# KiCad board RUST_Motherboard.pro.kicad_pcb (continued)
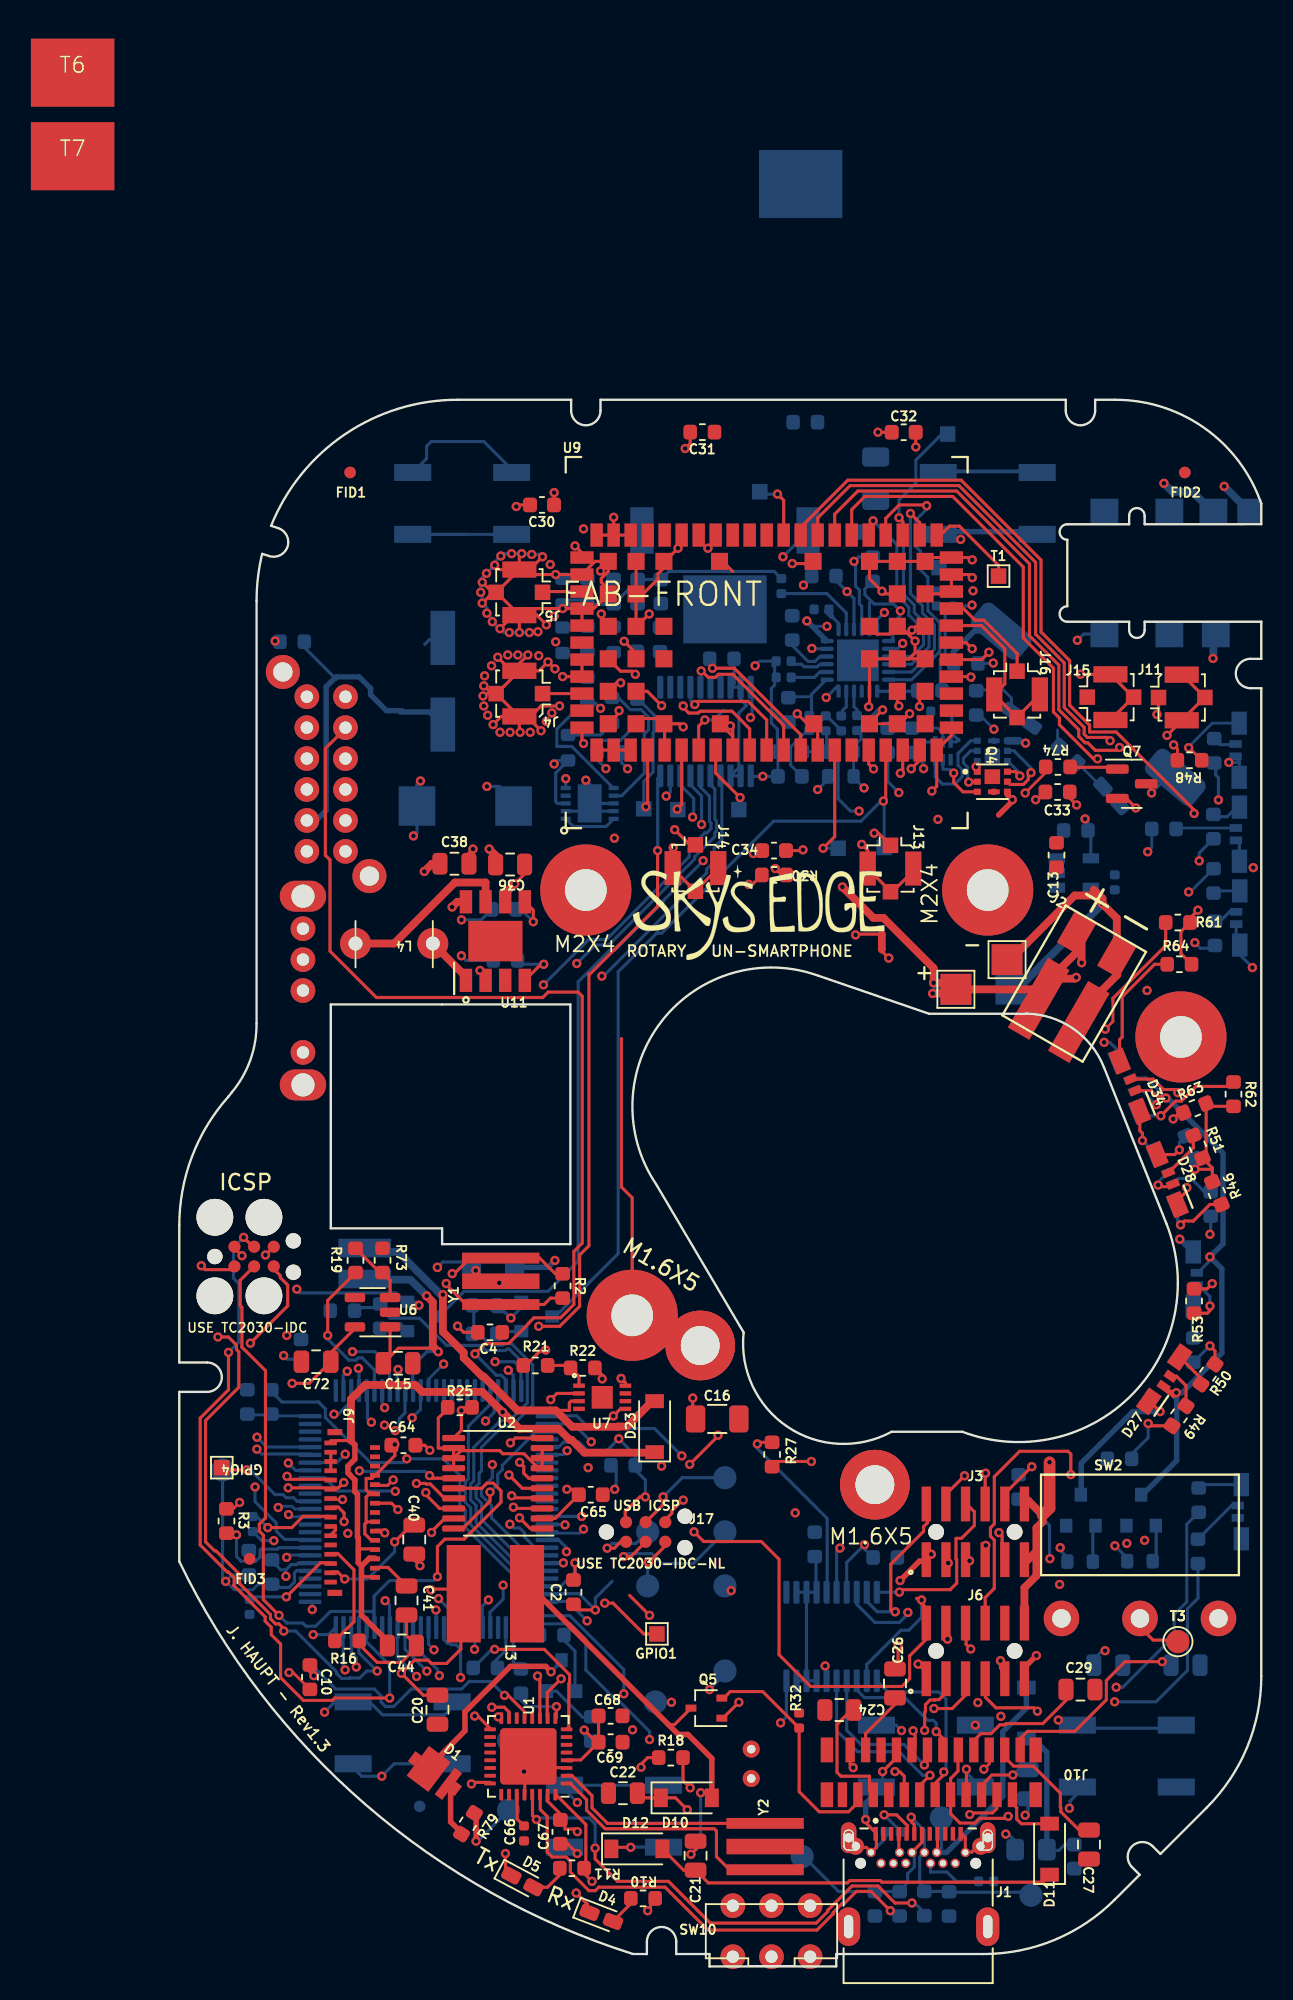
[diagram p0: board, top side]
## Routing (per net, layer and track width the routed paths; a pad name or vN(x,y) marks a point on that pad's centre or on a via; arc(x,y) is an arc through that point) (continued)
+3V3: length 113.6
  L1_GND+GNDA.Cu w0.2: 49.9,11.15 49.9,12.15 50.37,12.62 50.37,14.07 ; 48.35,23.15 47.7,23.8 ; v1(5.73,28.37) 7.28,28.37 8,29.1 9.8,29.1 ; 18.21,24.71 18.21,20.52 17.29,19.59 16.31,19.59 16.1,19.8 15.21,19.8 v1(14.37,18.96) 15.79,17.54 C20.2 ; v1(16.28,24.35) 16.33,24.4 18.02,24.4 ; U2.2 24.31,28.96 C65.1 ; 49.9,11.17 49.9,9.87 50.5,9.27 51.47,9.27 51.78,9.58 53.5,9.58 v1(53.62,9.7) ; v1(7.3,37.7) 8.4,37.7 C72.1 ; v1(25.07,30.85) 25.45,30.85 25.8,30.5 ; v1(13.29,28.04) 13.12,28.2 12.67,28.2 ; v1(33.3,28.1) 33.92,27.47 37.65,27.47 38.8,26.32 38.8,20.15 40.85,18.1 46.75,18.1 47.25,18.6 47.25,20.08 48.33,21.16 48.33,22.44 ; 9.8,39.69 11.36,41.25
  L3_3v8+GNDA.Cu w0.2: v1(53.62,9.7) 53.62,10.4 53,11.02 53,16.02 v1(53.15,16.17)
  L4_GND.Cu w0.2: v1(39.85,29.33) 38.62,28.1 v1(33.3,28.1)
  L5_3v8.Cu w0.2: v1(10.9,28) 11.05,28.15 13.17,28.15 v1(13.29,28.04) ; v1(56.32,26.36) 56.3,26.39 51.8,26.39 51.4,26.79 50.87,26.79 50.29,26.21 50.29,25.85 48.13,23.69 v1(48.02,23.69) 48.11,23.69 50.43,21.38 50.43,17.42 51.7,16.15 53.13,16.15 v1(53.15,16.17)
  L6_GND.Cu w0.2: C43.2 5.01,29.08 v1(5.73,28.37) ; v1(56.32,26.36) 56.3,26.39 56.3,28.52 54.3,30.52 ; v1(48.02,23.69) 48.02,22.56 47.2,21.74 46.69,21.74 44.48,19.53 U8.2
+3V8: length 130.4
  L1_GND+GNDA.Cu w0.18: C33.1 55.53,75.44 v1(55.4,75.44)
  L1_GND+GNDA.Cu w0.2: v1(16.75,39.75) 16.8,39.7 16.52,39.97 14.17,39.97 C15.1 13.64,39.44 13.64,41.25 ; v1(32.73,98.15) 33.05,98.47 C31.1 ; U9.53 U9.52 ; U9.52 v1(28.1,93.7) ; U9.52 U9.51 ; v1(16.2,33.37) 15.88,33.7 C64.1 ; 33.22,35.78 v1(33.22,36.75) ; R50.2 67,39.8 v1(66.68,40.12) ; 30.48,4.4 30.48,3.78 v1(30.3,3.6) ; 25.4,13.35 25.4,13.3 25.12,13.3 25.08,13.35 25.98,13.35 C69.1 C68.1 ; v1(66.83,44.15) 66.49,43.81 R53.2 ; v1(18,41.4) 18.4,41 C4.1 ; v1(28.08,35.59) 28.54,36.05 U7.5 ; 26.3,6.5 26.3,9.17 24.35,11.12 ; 66.83,51.63 66.74,51.54 v1(65.71,51.54) ; 66.83,51.63 R51.2 ; 66.83,51.63 R46.2 ; R18.2 32.59,12.01 v1(33.05,11.55) ; v1(24.25,95.3) 24.24,95.29 C30.1 ; R64.2 64.8,65.49 64.8,66.91 R61.2 ; v1(30.15,30.36) 29.8,30.36 28.85,29.41 28.85,28.75 ; R62.2 66.61,55.61 ; C34.1 37.33,72.15 v1(37.14,71.96) ; R49.2 62.83,34.95 v1(62.68,35.11) ; 65.39,67.79 v1(65.9,68.3) ; C32.1 v1(45.2,99.2) ; 17.17,28.96 16.32,28.12 v1(16.32,28.06) ; v1(46.32,22.93) 46.15,22.93 46.03,23.05 46.03,26.01 48.15,28.13 48.15,28.44 48.4,28.68 48.4,30.02 ; v1(40.89,32.65) 38.69,32.65 R27.1 ; R63.2 66.43,52.5 ; v1(26.19,15.28) 26.98,14.5 ; 3.57,46.44 v1(4.05,45.96) ; 26.1,6.1 v1(26.7,5.5)
  L1_GND+GNDA.Cu w0.35: 19.2,9.79 v1(19.2,8.1)
  L1_GND+GNDA.Cu w0.5: 16.8,39.7 16.4,40.1 16.4,42.96 v1(16.01,43.36)
  L4_GND.Cu w0.2: v1(26.38,22.34) 26.38,15.72 26.19,15.53 v1(26.19,15.28)
  L5_3v8.Cu w0.2: v1(49.75,26.08) 49.63,26.08 47.3,23.75 47.3,23.51 47.68,23.13 47.68,22.6 47.4,22.31 46.93,22.31 v1(46.32,22.93)
  L6_GND.Cu w0.18: v1(52.66,84.28) 52.63,84.25 R15.2
  L6_GND.Cu w0.2: v1(19.2,8.1) 19.3,8.1 3V8.1 ; R54.2 66.66,40.12 v1(66.68,40.12) ; v1(6.75,39.5) 6.98,39.27 7.88,39.27 ; 6.9,25.65 7.23,25.98 7.59,25.98 7.71,26.1 8.4,26.1 ; 6.9,25.65 6.55,25.65 5.9,26.3 ; 6.9,25.65 v1(6.9,25.22) ; 15.1,37.25 15.1,38.83 16.02,39.75 v1(16.75,39.75) ; v1(31.5,75.67) 31.77,75.94 U10.19 ; U4.80 24.54,33.57 24.86,33.9 25.87,33.9 26.4,33.37 27.68,33.37 v1(28.43,34.12) 29.5,33.05 C6.1 ; 29.5,32.1 30.15,31.45 v1(30.15,30.36) ; 23.75,23.6 25.13,23.6 v1(26.38,22.34) ; U13.10 v1(25,76.8) ; v1(19.9,76.3) 20.7,76.3 22.02,74.98 ; 17.6,21.95 17.6,22.95 v1(16.77,23.78) ; 65.9,52.04 65.9,51.73 v1(65.71,51.54) ; v1(29,77.44) 28.62,77.83 C42.1 ; 44.48,23.61 45.16,22.93 v1(46.32,22.93) ; v1(26.19,15.28) 26.19,15.02 C3.1 ; R45.2 66.73,47.39 v1(66.68,47.34) ; 61.61,33.12 62.68,34.18 v1(62.68,35.11)
  L6_GND.Cu w0.5: 12,44.4 14.96,44.4 v1(16.01,43.36)
  vias: v1(56.95,24.7)
+12V: length 100.9
  L1_GND+GNDA.Cu w0.2: 9.8,34 11.1,34 ; 12.67,25.2 11.97,25.2 11.79,25.39 ; C38.2 18.74,71.99 v1(19,72.25) ; 11.58,26.82 11.76,27 12.67,27 ; v1(19.45,64.4) 19.81,64.03 U11.2 ; v1(21.7,70) 22.34,70.64 C36.1 ; v1(23.7,39.86) 23.63,39.78 23.33,39.78 22.41,38.86
  L1_GND+GNDA.Cu w0.35: 12.67,26.4 12.3,26.4 11.79,25.89 ; 11.79,25.89 11.58,26.09 11.58,27.72 11.53,27.78 11.53,30.53 11.36,30.69 11.36,31.46 11.03,31.79 11.03,31.79 10.91,31.91 10.91,32.35 11.36,32.8 11.36,33.74 11.1,34 ; 11.79,25.89 11.79,22.71 13.5,21
  L1_GND+GNDA.Cu w0.5: D23.1 30.72,33.22 26.21,33.22 25.38,34.05 25.26,34.05 24.55,34.77 22,34.77 v1(20.92,35.84) 19.61,37.15 15.71,37.15 15.26,37.6 12.03,37.6 11.1,36.67 11.1,34 ; U11.6 21.08,69.38 v1(21.7,70)
  L2_3v3+GNDA.Cu w0.35: v1(20.92,35.84) 20.96,35.84 23.7,38.59 v1(23.7,39.86) ; 20.64,65.28 20.84,65.48 25.97,65.48 26.34,65.11 26.34,46.79 25.2,45.65 v1(24.3,45.65)
  L3_3v8+GNDA.Cu w0.35: v1(24.3,45.65) 24.3,40.46 v1(23.7,39.86)
  L5_3v8.Cu w0.2: v1(21.7,70) 21.25,70 v1(19,72.25)
  L5_3v8.Cu w0.35: v1(19.45,64.4) 19.45,67.75 v1(21.7,70)
  L6_GND.Cu w0.35: v1(24.3,45.65) 23.85,45.2 C17.1
/3v3_EN: length 10.3
  L1_GND+GNDA.Cu w0.2: v1(9.6,40.8) 9.6,43.06 R19.2
  L6_GND.Cu w0.2: v1(9.6,40.8) 9.6,40.57 10.97,39.2 11.43,39.2 11.58,39.35 11.84,39.35 12.62,38.56 U4.56
/12v_EN: length 19.2
  L1_GND+GNDA.Cu w0.2: U7.8 28.86,37.74 v1(28.58,38.02)
  L3_3v8+GNDA.Cu w0.2: v1(28.58,38.02) 28.4,38.02 27.51,38.91 23.45,38.91 22.71,39.65 20.13,39.65 19.89,39.41 19.89,39.34 17.65,37.1 14.34,37.1 13.35,36.11 13.3,36.11 v1(13.28,36.13)
  L6_GND.Cu w0.2: v1(13.28,36.13) 13.12,36.29 U4.57
/EPAPER DRIVER/VDD: length 7.8
  L1_GND+GNDA.Cu w0.2: 51.37,14.57 51.85,15.05 52.51,15.05 53.08,15.62 53.41,15.62 53.49,15.7 55.86,15.7 57.36,17.2 C29.1
GND: length 165.5
  L1_GND+GNDA.Cu w0.18: J9.14 12.15,28.75 12.09,28.69 ; v1(18.25,35.95) 18.45,36.15 R25.2
  L1_GND+GNDA.Cu w0.2: R22.2 27.36,38.23 v1(27.36,37.99) ; 10,28.5 10.1,28.4 10.1,28.2 9.8,27.9 ; v1(13.94,33.75) 13.94,33.03 12.46,31.55 12.09,31.55 12.09,30.81 12.3,30.6 12.67,30.6 ; 9.8,33.3 9.8,32.1 ; 12.67,30.62 12.36,30.62 12.09,30.35 12.09,28.69 12,28.6 12,27.97 12.38,27.6 12.6,27.6 ; v1(33.02,32.46) 34.85,34.29 v1(34.85,34.35) ; C41.2 14.7,21.4 15.15,20.95 ; v1(45.5,12.6) 46.4,13.5 ; v1(7.05,30.94) 10.29,30.94 v1(10.64,31.29) ; 15.3,20.6 14.36,19.66 12.8,19.66 11.64,20.82 ; 22.35,11.12 22.35,12.55 ; v1(29.2,7.7) 28.05,7.7 ; 44.3,7.69 44.3,7.69 44.45,7.69 44.75,7.39 ; 53.45,30.62 v1(55.15,32.32) ; 50.92,11.32 v1(50.92,12.75) ; 46.3,19.62 46.5,19.82 v1(46.5,20.74) ; 15.2,26.28 v1(15.57,25.91) ; v1(24.03,36.65) 24.43,37.05 U7.2 ; 19.87,44.3 v1(19.17,45) ; v1(18.25,35.95) 18.25,34.67 U2.11 ; 61.27,75.52 v1(61.89,74.91) ; v1(48.65,26.65) 48.65,26.62 J3.1 ; v1(30.42,22.7) 29.13,23.99 ; 25.08,12.85 24,12.85 ; v1(26.92,23.05) 25.86,23.05 C2.2 ; v1(44.4,9.5) 44.4,9.3 45.1,8.6 45.1,7.7 44.8,7.4 ; NT2.1 45.45,65.65 v1(45.9,65.2) ; v1(32.6,30.15) 32.55,30.15 31.87,29.47 31.87,29.3 31.44,28.88 ; v1(47.8,19.55) 48.33,19.02 ; 50.55,8.65 50.85,8.35 50.85,7.39 51.27,7.39 51.38,7.5 51.38,7.5 ; v1(25.75,7.3) 25.14,7.91 24.95,7.91 ; J7.6 v1(5.58,46)
  L1_GND+GNDA.Cu w0.35: Q4.4 53.58,75.76 v1(53.89,75.44) 53.89,75.34 53.01,74.45 ; 48.3,26.2 47.88,26.2 v1(46.63,24.95)
  L1_GND+GNDA.Cu w0.5: C36.2 20.46,71.84 v1(20.05,72.25) ; C38.1 16.35,71.3 v1(15.85,70.8) ; v1(17.65,68.5) 17.99,68.84 U11.8
  L2_3v3+GNDA.Cu w0.2: v1(5.58,46) 5.58,45.48 7.26,43.79 v1(7.6,43.79)
  L3_3v8+GNDA.Cu w0.2: v1(20.7,44.2) 21.45,43.45 v1(21.45,41.92)
  L4_GND.Cu w0.18: v1(13.27,35) 14.7,36.43 14.7,43.2 v1(16.7,45.2)
  L6_GND.Cu w0.2: C58.2 50.02,88.93 ; SW8.2 13.9,13.1 v1(13.1,12.3) 11.8,12.3 11.2,12.9 ; R24.2 19.53,67.67 v1(18.26,67.67) ; v1(67.9,77.85) 68.57,77.85 68.58,77.86 ; 15.2,96.7 16,97.5 16,98.3 16.3,98.6 19.7,98.6 21.7,96.6 ; 68.35,78.15 68.58,77.92 68.58,76.85 ; v1(25.09,33.35) 24.84,33.1 23.75,33.1 ; U12.12 45.15,87.08 v1(45.61,87.55) ; v1(6.11,27.53) 5.33,27.53 C43.1 ; v1(22.3,12.6) 22.3,13.6 GND1.1 ; 44.8,7.4 45.67,8.26 R5.2 ; 54.3,31.48 55.13,32.32 v1(55.15,32.32) 55.15,32.1 ; v1(18.25,65.35) 18.55,65.05 R23.2 ; 20.36,42.32 21.05,42.32 v1(21.45,41.92) 22.12,42.6 22.12,42.95 ; 28.27,32.27 28.27,30.94 v1(28.17,30.85) ; 58.1,11.17 57.63,10.69 57.63,10.27 v1(57.58,10.23) ; v1(54.72,9.78) 54.9,9.95 C25.2 ; 28,24.9 26.92,23.82 v1(26.92,23.05) 25.87,24.1 23.75,24.1 ; 68.37,67.4 68.37,66.33 ; 14.35,43.2 14,43.55 7.84,43.55 v1(7.6,43.79) ; v1(16.7,45.2) 17.05,45.55 18.55,45.55 ; v1(15.06,35.48) 15.6,36.01 15.6,37.2 ; 15.87,85.48 16.19,85.8 17.05,85.8 ; 23.8,17.8 24.4,17.8 26.1,16.1 26.85,16.1 ; v1(45.5,12.6) 45.5,12 ; 8.5,26.6 7.09,26.6 v1(6.94,26.45) ; 68.6,65.42 69.42,64.6 v1(69.42,64.59) ; 51.5,11.94 50.92,12.52 v1(50.92,12.75) ; 68.58,71.45 68.58,72.72 ; 17.1,21.95 17.1,21.14 17.35,20.89 17.49,20.89 17.58,20.8 17.91,20.8 18.2,20.51 v1(18.2,18.68) ; v1(29.2,7.7) 29.21,7.71 SW5.2 ; v1(15.5,42.75) 15.3,42.95 14.75,42.95 ; 61.01,74.91 v1(61.89,74.91)
  L6_GND.Cu w0.25: 55.62,96.68 48.98,96.68
  L6_GND.Cu w0.35: v1(44.4,9.5) 44.4,10.55 44.9,11.05
  vias: v1(6.95,40.8) v1(69.48,71.05)
GNDA: length 202.9
  L1_GND+GNDA.Cu w0.18: U9.85 U9.83
  L1_GND+GNDA.Cu w0.2: J5.2 20.3,88.85 v1(19.6,88.15) ; J5.2 20.25,88.85 v1(19.6,89.5) ; J5.2 20.52,88.85 ; J5.2 22.33,90 v1(24.35,90) U9.55 26.9,90.85 U9.70 ; J5.2 20.67,90.32 v1(20.4,90.6) ; J5.2 22,91.2 v1(22.15,91.35) ; J5.2 22.67,90.32 v1(23.5,91.15) ; J5.2 20.52,88.85 ; U9.5 31.4,80.3 U9.77 32.4,80.35 v1(32.6,80.15) ; 22,80.82 22,79.85 v1(22.05,79.8) ; 22,80.82 21.98,80.82 J4.2 ; 22,80.82 22.73,80.82 23.4,81.5 v1(24.6,81.5) ; 22,80.82 22.48,80.82 v1(23.4,79.9) ; 22,80.82 20.83,80.82 v1(20.3,80.3) ; U9.32 51.15,91.1 v1(51.3,90.95) ; U9.32 48.5,91.1 U9.96 U9.90 U9.84 44.65,89.73 v1(45.46,88.92) 45.63,88.75 U9.89 ; U9.32 50.66,91.1 ; J4.2 19.8,82.3 v1(19.65,82.15) ; J4.2 20.52,82.3 J4.2 ; J4.2 20.2,82.3 v1(19.7,82.8) ; v1(47.25,81) 46.6,80.35 U9.85 ; U9.14 41.3,80.1 ; v1(45.5,81.25) 44.65,80.4 U9.83 44.7,80.4 ; v1(24.3,83.9) v1(23.85,84.35) 23.28,83.77 J4.2 ; v1(47.89,81.47) 47.89,82.09 U9.92 ; v1(35.65,80.21) 35.8,80.06 U9.9 35.8,79.55 U9.79 ; U9.73 29.55,84.91 v1(28.78,85.68) ; U9.20 47.9,77.99 v1(47.35,77.44) ; U9.87 U9.93 ; U9.87 47.2,84.55 47.6,84.95 v1(47.6,85.7) 46.65,86.65 U9.88 45.95,86.15 45.15,86.15 U9.100 ; U9.87 U9.99 44.65,81.5 v1(44.6,81.45) ; v1(21.8,94.4) 21.9,94.5 C30.2 ; v1(22.55,84.8) 22,84.25 J4.2 ; U9.70 27.75,90.2 27.3,89.75 27.3,89.5 27.75,89.05 ; U9.70 27.75,90.73 v1(27.25,90.23) ; NT2.2 43.8,66.75 v1(43.75,66.7) ; v1(25.6,91.85) 26.05,91.4 U9.54 ; 31.35,90.43 30.97,90.05 30.97,89.72 30,88.75 ; v1(30.4,87.45) 29.6,86.65 U9.74 U9.75 U9.76 ; v1(23.75,86.75) 23.12,87.38 J5.2 ; v1(40.35,72.2) 40.3,72.15 C34.2 ; v1(51.3,89.8) 51.1,90 U9.31 U9.30 49.8,88.75 U9.95 ; J5.2 v1(22,86.25) ; J5.2 20.52,88.85 ; J5.2 22.42,87.8 v1(24.8,87.8) U9.57 ; J5.2 21.62,87.38 v1(20.75,86.5) ; J4.2 21.48,83.77 v1(20.6,84.65) ; 35.8,90.2 35.15,90.85 U9.80 ; U9.1 U9.2 U9.3 ; U9.81 40.63,80.35 v1(39.98,81) ; U9.22 49.95,79.6 U9.21 49,76.31 v1(48.69,76) ; U9.78 31.41,90.85 v1(32.26,91.7) ; U9.86 46.45,81.6 v1(46.55,81.5) ; U9.57 U9.58 ; U9.57 26.8,87.8 U9.69 ; U9.60 U9.61 v1(24.8,83.4) ; C33.2 57.61,75.54 v1(58.05,75.1) ; v1(47.4,86.4) 47.65,86.65 U9.94 ; J11.2 64.87,83.52 J11.2 66.33,82.05 J11.2 64.85,80.55 v1(63.9,79.6) ; v1(39.66,90.71) 40.99,90.71 41,90.7 ; C32.2 47.64,98.26 v1(47.65,98.25) ; 31.29,80.69 30.02,80.69 ; v1(31.2,81.53) 30.28,82.45 U9.72
  L5_3v8.Cu w0.2: v1(24.8,83.4) 22.8,83.4 22.75,83.45 ; v1(23.85,84.35) 23.65,84.35 v1(23.25,84.75) 22.6,84.75 v1(22.55,84.8) v1(21.9,84.8) v1(21.25,84.8) 20.75,84.8 v1(20.6,84.65) 20.6,84.5 v1(20.2,84.1) 20.2,83.9 v1(19.75,83.45) 19.75,82.85 v1(19.7,82.8) 19.7,82.2 v1(19.65,82.15) 19.65,81.55 v1(19.7,81.5) 19.7,81.15 v1(19.95,80.9) 19.95,80.65 v1(20.3,80.3) 20.3,80.25 v1(20.75,79.8) v1(21.4,79.8) v1(22.05,79.8) v1(22.7,79.8) 23.3,79.8 v1(23.4,79.9) 23.4,80.15 v1(23.75,80.5) 23.75,80.7 v1(24.1,81.05) 24.15,81.05 v1(24.6,81.5)
  L6_GND.Cu w0.18: 37.15,85.8 36.65,85.8 36.46,85.99 35.9,85.99 ; C47.2 43.59,78.84 44.1,79.35 ; R35.2 43.62,78.51 ; C49.2 38.73,78.52 ; 39.04,80.46 38.3,81.2
  L6_GND.Cu w0.2: v1(37.25,84.1) 37.55,84.4 C53.2 ; R35.2 43.62,76.88 v1(44.3,76.2) ; U13.11 26.05,74.7 U13.7 ; U13.11 27.05,74.7 U13.4 ; U13.11 26.55,76.45 v1(26.3,76.7) ; U13.11 U13.3 ; D16.2 38.7,80 38.3,80.4 38.3,82.64 38.52,82.85 38.52,84 38.39,84.13 ; U12.5 40.95,85.2 v1(40.92,85.22) ; v1(41.85,82.05) 42.56,82.76 U12.24 ; v1(39.98,81) 39.94,81 C50.2 ; v1(15.15,73.1) 15.38,73.32 15.38,76.42 v1(15.6,76.65) ; 22.7,86.3 v1(22.65,86.25) v1(22,86.25) v1(21.35,86.25) 21,86.25 v1(20.75,86.5) 20.7,86.5 v1(20.25,86.95) 20.25,87.15 v1(19.9,87.5) 19.9,87.85 v1(19.6,88.15) 19.6,88.75 v1(19.5,88.85) 19.5,89.4 v1(19.6,89.5) 19.6,89.8 v1(19.87,90.07) v1(20.4,90.6) 20.4,90.8 v1(20.8,91.2) 20.8,91.35 v1(21.5,91.35) v1(22.15,91.35) 22.75,91.35 v1(22.8,91.3) 23.35,91.3 v1(23.5,91.15) ; v1(45.5,81.25) 45.18,81.25 C51.2 44.1,79.67 44.1,79.35 ; 36.96,76.99 37,76.95 v1(37.75,76.95) C49.2 ; v1(27.6,77.45) 27.04,78.01 C42.2 27.04,79.15 27.17,79.27 28.53,79.27 C39.2
  L6_GND.Cu w0.5: 69.2,94.1 v1(67.6,95.7)
  vias: v1(23.2,86.3) v1(24,90.65) v1(24.25,87.3) v1(34.2,91.7)
VBUS: length 133.3
  L1_GND+GNDA.Cu w0.2: v1(25.75,8.71) 25.58,8.88 24.95,8.88 24.95,9.56 23.8,10.71 23.8,11.1 ; v1(48.22,15.26) 48.22,16.42 48.27,16.47 48.27,16.93 48.57,17.22 48.87,17.22 48.87,17.25 49.15,17.25 49.59,17.69
  L2_3v3+GNDA.Cu w0.2: v1(25.75,8.71) 30.61,8.71 32.58,10.68 34.52,10.68 34.53,10.7 39.08,10.7 41.78,13.4 45.06,13.4 45.43,13.77 46.89,13.77 48.4,15.27
  L3_3v8+GNDA.Cu w0.35: v1(53.47,8.56) 53.47,8.93 51.48,10.92 48.12,10.92 47.45,11.6 47.45,13.82 48.22,14.6 v1(48.22,15.26) 48.2,15.28 48.2,18.12 50.45,20.38 50.45,21.42 56.99,27.96 58.14,27.96 68.13,37.95 68.13,63.8 67.53,64.4 67.53,70.82 64.15,74.2 v1(58.6,74.2)
  L5_3v8.Cu w0.18: v1(52.7,80) 54.65,80 58.6,76.04 v1(58.6,74.2)
  L6_GND.Cu w0.18: v1(52.7,80) 51.62,81.07 51.55,81.07
  L6_GND.Cu w0.2: 54.08,8.12 53.63,8.56 v1(53.47,8.56) ; v1(58.6,74.2) 58.79,74.01 C12.1 58.98,73.26 58.98,71.65
+BATT: length 139.2
  L1_GND+GNDA.Cu w0.5: 54.67,22.44 54.67,24.49 55.45,25.26 55.45,28.35 55.85,28.75 55.85,29.19 54.9,30.13 54.67,30.13 ; v1(58.02,63.95) 57.94,63.87 56.34,63.87 ; v1(58.37,64.9) 58.37,66.48 ; TP2.1 55.66,63.18 56.34,63.87 ; 49.82,63.6 v1(48.8,63.6) 48.8,64.55 45.55,67.8 44.9,67.8 v1(42.9,69.8) ; 56.34,63.87 58.04,65.57 J2.2 ; v1(48.74,62.91) 49.97,62.91 ; 54.67,26.06 55.45,26.84
  L1_GND+GNDA.Cu w0.75: v1(56.3,32.6) 56.3,29.64 55.85,29.19
  L2_3v3+GNDA.Cu w0.5: 8.7,80.05 9.5,80.85 9.5,82.7 10.1,83.3 14.8,83.3 26.58,71.52 30.58,71.52 31.44,70.66 37.89,70.66 38.75,69.8 v1(42.9,69.8) 46.55,73.45 v1(46.55,75.9)
  L5_3v8.Cu w0.5: 58.4,64.72 58.4,64.88 v1(58.37,64.9)
  L5_3v8.Cu w0.75: v1(56.3,32.6) 56.33,32.62 61.45,32.62 67.65,38.82 67.65,51.25 65.1,53.8 63.5,53.8 62.1,55.2 62.1,56.6 60.9,57.8 60.9,62.07 59.02,63.95 v1(58.02,63.95) 58.02,64.35 58.4,64.72
  L6_GND.Cu w0.2: R12.1 45.83,76.62 v1(46.55,75.9)
  L6_GND.Cu w0.5: TP4.1 49.02,63.19 v1(48.74,62.91) ; v1(48.8,63.6) 49.84,63.6
/AREF: length 3.8
  L1_GND+GNDA.Cu w0.2: 25.6,25.08 v1(25.6,26.09)
  L6_GND.Cu w0.2: v1(25.6,26.09) 25.6,25.5 24.7,24.6 23.75,24.6
/AUDIO/BLCK: length 20.1
  L1_GND+GNDA.Cu w0.2: U9.36 45.7,93.63 46.57,94.5 48.3,94.5 v1(48.35,94.45)
  L6_GND.Cu w0.18: 49.15,90.38 49.14,90.39 48.06,90.39 47.96,90.29
  L6_GND.Cu w0.2: v1(48.35,94.45) 48.35,94.22 47.65,93.52 47.65,91.8 47.96,91.49 47.96,90.29 48.43,89.82 48.43,87.65 49.2,86.88 49.2,85.03 47.37,83.2 U12.18
/AUDIO/LRCLK: length 14.9
  L1_GND+GNDA.Cu w0.2: U9.34 47.9,93.35 v1(47.3,93.95)
  L6_GND.Cu w0.2: U12.17 47.38,83.7 48.85,85.17 48.85,86.74 48.08,87.51 48.08,87.99 47.3,88.77 v1(47.3,93.95)
/AUDIO/MCLK: length 12.8
  L1_GND+GNDA.Cu w0.2: v1(46.65,77.15) 46.8,77.3 U9.19
  L2_3v3+GNDA.Cu w0.2: v1(46.65,77.15) 46.6,77.2 46.6,77.53 48.44,79.37 48.44,83.91 v1(46.8,85.55)
  L6_GND.Cu w0.2: v1(46.8,85.55) 46.45,85.2 U12.14
/AUDIO/SCL: length 17.7
  L1_GND+GNDA.Cu w0.2: v1(51.29,85.2) 50.89,85.6 U9.27
  L4_GND.Cu w0.2: v1(51.29,85.2) 45.64,90.85 v1(43.65,90.85)
  L6_GND.Cu w0.2: R37.2 43.94,91.14 v1(43.65,90.85) 43.75,90.75 43.75,89.25 44,89 44,88.09 44.15,87.94 U12.10
/AUDIO/SDA: length 19.9
  L1_GND+GNDA.Cu w0.2: v1(52.38,84.97) 51.9,84.5 U9.26
  L2_3v3+GNDA.Cu w0.2: v1(52.38,84.97) 52.38,87.92 v1(51.35,88.95)
  L3_3v8+GNDA.Cu w0.2: v1(43.2,88.9) 43.77,89.47 50.83,89.47 v1(51.35,88.95)
  L6_GND.Cu w0.2: R36.2 42.49,89.61 v1(43.2,88.9) 43.65,88.45 U12.9
/AUDIO/SDIN: length 20.3
  L1_GND+GNDA.Cu w0.2: U9.35 46.8,93.44 v1(46.56,93.67)
  L6_GND.Cu w0.2: U12.16 47.38,84.2 48.5,85.32 48.5,86.59 47.55,87.54 47.55,88.02 46.85,88.72 46.85,93.39 v1(46.56,93.67) 46.56,94.82 47.65,95.91 47.65,97.4 49.33,99.08
/AUDIO/SDOUT: length 13.3
  L1_GND+GNDA.Cu w0.2: U9.37 44.6,93.19 v1(44.89,93.48)
  L6_GND.Cu w0.2: U12.15 47.39,84.7 48.15,85.46 48.15,86.43 47.2,87.38 47.2,87.88 46.42,88.65 46.42,91.94 v1(44.89,93.48)
/AUDIO/SPK+: length 21
  L3_3v8+GNDA.Cu w0.2: v1(24.35,85.65) 25.25,85.65 26.75,87.15 ; 26.75,87.15 26.75,88.9 29,91.15 v1(39.05,91.15) ; 26.75,87.15 26.75,86.55
  L6_GND.Cu w0.2: v1(39.05,91.15) 40.67,92.77 LS1.1
/AUDIOAMP_EN: length 3.5
  L6_GND.Cu w0.2: U13.6 25.49,73.71 27.61,73.71 U13.5
/CELL MODEM/ANT1: length 2.6
  L1_GND+GNDA.Cu w0.2: J5.1 23.55,88.9 U9.56
/CELL MODEM/ANT2: length 2.6
  L1_GND+GNDA.Cu w0.2: U9.62 J4.1
/CELL MODEM/CTS_1v8: length 7.6
  L1_GND+GNDA.Cu w0.2: U9.11 38,80.6 36.8,81.8 33.55,81.8 v1(33.35,81.6)
  L6_GND.Cu w0.2: 33.06,81.88 v1(33.35,81.6)
/CELL MODEM/DCD_1v8: length 4.5
  L1_GND+GNDA.Cu w0.2: v1(36.28,75.58) 34.7,77.16 U9.8
  L6_GND.Cu w0.2: T9.1 36.2,75.5 v1(36.28,75.58)
/CELL MODEM/DSR_1v8: length 3.9
  L1_GND+GNDA.Cu w0.2: U9.6 32.5,75.12 v1(32.21,74.83)
/CELL MODEM/NETSTAT: length 20.6
  L1_GND+GNDA.Cu w0.2: 51.3,83.15 51.05,83.4 U9.25 ; v1(38.56,70.99) 38.97,70.57 R30.1
  L5_3v8.Cu w0.2: v1(51.21,83.37) 48.29,80.45 47.15,80.45 38.56,71.86 v1(38.56,70.99)
/CELL MODEM/RI_1v8: length 3.6
  L1_GND+GNDA.Cu w0.2: v1(34,80.6) 33.6,80.2 U9.7
  L6_GND.Cu w0.2: 35.2,81.22 34.58,80.6 v1(34,80.6)
/CELL MODEM/RTS_1v8: length 6.7
  L1_GND+GNDA.Cu w0.2: 32.65,81.35 32.95,81.05 33.58,81.05 33.69,81.16 35.76,81.16 36.9,80.02 U9.10
  L6_GND.Cu w0.2: 32.42,81.68 32.7,81.4
  vias: v1(32.6,81.5)
/CELL MODEM/RXD_1v8: length 8.5
  L1_GND+GNDA.Cu w0.2: v1(34.49,83.94) 35.9,83.94 40.2,79.64 U9.13
/CELL MODEM/SDIO-CLK: length 11.8
  L1_GND+GNDA.Cu w0.2: J14.1 33.03,72.52 v1(32.05,73.5) ; U9.64 26.05,79.18 v1(26.15,79.08)
  L2_3v3+GNDA.Cu w0.2: v1(26.15,79.08) 26.15,77.8 30.45,73.5 v1(32.05,73.5)
/CELL MODEM/SDIO-CMD: length 17
  L1_GND+GNDA.Cu w0.2: v1(31.95,72.35) 31.92,72.31 J14.2 31.92,70.99 J14.2 33.39,69.54 J14.2 ; v1(28.45,81.2) 28.45,81.05 U9.65
  L5_3v8.Cu w0.2: v1(28.45,81.2) 28.5,81.2 30.95,78.75 30.95,73.35 v1(31.95,72.35)
/CELL MODEM/SDIO-D0: length 22.8
  L1_GND+GNDA.Cu w0.2: v1(44.96,73.28) 45.22,73.28 J13.1 ; U9.66 28.3,83 v1(28.55,83)
  L2_3v3+GNDA.Cu w0.2: v1(28.55,83) 35.4,76.15 36.49,76.15 39.36,73.28 v1(44.96,73.28)
/CELL MODEM/SDIO-D1: length 37.3
  L1_GND+GNDA.Cu w0.2: v1(44.15,72.55) 44.54,72.16 J13.2 46.01,69.52 J13.2 46.14,69.49 47.48,70.83 J13.2
  L3_3v8+GNDA.Cu w0.2: v1(28.15,72.95) 43.75,72.95 v1(44.15,72.55)
  L4_GND.Cu w0.2: v1(28.15,72.95) 28.45,73.25 28.45,77.48 27.8,78.13 27.8,86.95 v1(27.3,87.45)
/CELL MODEM/SDIO-D3: length 37.9
  L1_GND+GNDA.Cu w0.2: v1(29.5,83.55) 29.3,83.75 28.55,83.75 U9.67 ; 61.71,82.07 J15.2 58.3,83.54 v1(58.3,83.55) ; 61.71,82.07 J15.2 ; 61.71,82.07 J15.2
  L3_3v8+GNDA.Cu w0.2: v1(29.5,83.55) 30.45,82.6 57.35,82.6 v1(58.3,83.55)
/CELL MODEM/TXD_1v8: length 8.6
  L1_GND+GNDA.Cu w0.2: v1(33.76,83.76) 33.81,83.76 34.22,83.35 34.68,83.35 34.88,83.55 35.8,83.55 39.1,80.25 U9.12
/CELL MODEM/USB_D+: length 6.6
  L1_GND+GNDA.Cu w0.2: U9.29 50.73,87.8 51.48,87.05 52.04,87.05 54.2,84.89 J16.1
/CELL MODEM/USB_D-: length 11.5
  L1_GND+GNDA.Cu w0.2: J16.2 54.2,80.77 J16.2 52.73,82.22 J16.2 53.41,82.93 53.41,85.19 51.9,86.7 U9.28
/CELL MODEM/VSUB_DET: length 23
  L1_GND+GNDA.Cu w0.2: U9.17 44.6,77.75 v1(44.91,77.44) ; J11.1 63.35,81.05 v1(63.25,80.95)
  L3_3v8+GNDA.Cu w0.2: v1(44.91,77.44) 45.8,76.55 48.65,76.55 49.4,77.3 49.4,77.3 49.72,77.63 49.72,77.63 50.65,78.55 58.74,78.55 61.14,80.95 v1(63.25,80.95)
/CELL_CTS: length 59
  L4_GND.Cu w0.2: v1(20.25,32.45) 20.25,34.39 22.35,36.49 22.35,41.9 25.95,45.5 25.95,61.87 33.3,69.22 33.3,73.35 v1(33.79,73.84)
  L6_GND.Cu w0.2: U4.94 22.62,26.57 20.2,29 20.2,29.79 19.55,30.44 19.55,30.9 20.25,31.6 v1(20.25,32.45) ; 33.06,76.99 33.06,76.41 33.79,75.68 v1(33.79,73.84)
/CELL_ON: length 30.7
  L6_GND.Cu w0.2: 13,42.6 11.8,42.6 11.65,42.45 ; 13.02,42.52 13.63,41.92 15.53,41.92 17.29,40.16 19.5,40.16 19.83,39.83 19.98,39.83 19.98,39.82 21.1,39.82 21.19,39.92 21.34,39.92 22.51,38.75 22.51,36.44 21.37,35.29 20.78,35.29 19.05,33.56 19.05,31.39 18.85,31.19 18.85,30.15 19.2,29.8 19.2,28.71 22.81,25.1 23.8,25.1
/CELL_PWR_DET: length 57.4
  L1_GND+GNDA.Cu w0.2: v1(23.25,41.39) 24.61,41.39 25.9,42.68 25.9,46 26.5,46.6 26.5,64.1 ; 26.5,64.1 30.94,68.54 v1(30.94,72.15) ; 26.5,64.1 26.5,64.2
  L4_GND.Cu w0.2: v1(23.25,41.39) 23.25,41.11 24.27,40.09 24.27,38.07 23.4,37.2 23.4,27.54 v1(24.85,26.09)
  L6_GND.Cu w0.2: U4.95 24.83,26.07 v1(24.85,26.09) ; v1(30.94,72.15) 30.95,72.16 30.95,76.82 31.08,76.95
/CELL_RESET: length 23.9
  L6_GND.Cu w0.2: 19.42,41.02 19.05,41.4 19.05,42.8 ; 19.35,41.02 19.35,40.95 20.12,40.17 20.95,40.17 21.04,40.27 21.49,40.27 22.86,38.89 22.86,36.29 21.51,34.94 20.92,34.94 19.55,33.57 19.55,32.04 19.4,31.89 19.4,31.24 19.2,31.04 19.2,30.3 19.55,29.95 19.55,28.9 22.83,25.62 23.62,25.62
/CELL_RI: length 65.7
  L4_GND.Cu w0.2: v1(13.32,23.65) 12.09,24.87 12.09,31.12 15.86,34.89 15.86,35.56 20.9,40.6 20.9,42.15 23.85,45.1 24.53,45.1 25.6,46.17 25.6,62.39 27.06,63.85 27.15,63.85 v1(27.34,64.03)
  L6_GND.Cu w0.2: 35.05,76.95 35.1,76.9 35.1,72.87 34.85,72.62 34.85,72.57 34.6,72.32 34.6,71.55 34.44,71.39 34.44,71.27 34.12,70.95 34.12,70.71 27.44,64.03 v1(27.34,64.03) ; v1(13.32,23.65) 13.6,23.37 13.6,21.95
/CELL_RTS: length 60.7
  L5_3v8.Cu w0.18: 25.12,41.5 25.7,42.07 25.7,44.02 26.47,44.8 26.47,45.8 27.78,47.1 27.78,47.67 27.46,47.99 27.41,47.99 27.66,48.24
  L5_3v8.Cu w0.2: v1(21.39,28.59) 21.39,27.29 21.42,27.25 22.74,27.25 23.52,28.03 23.52,33.93 25.12,35.53 25.12,41.5 ; 27.66,48.24 27.66,59.94 33.35,65.63 33.35,71.26 33.34,71.27 33.34,71.73 33.2,71.86 v1(33.2,74.31) 33.23,74.31 33.28,74.36
  L6_GND.Cu w0.2: 23.73,27.1 23,27.1 22.34,27.76 22.34,28.03 22.02,28.35 21.63,28.35 v1(21.39,28.59) ; U10.18 32.42,76.38 33.28,75.52 33.28,74.36
/CELL_RXD: length 70.9
  L2_3v3+GNDA.Cu w0.2: v1(25.71,64.85) 24.96,64.1 10.55,64.1 5.7,59.25 5.7,51.45 8.4,48.75 8.4,37.91 5.25,34.77 4.8,34.77 4.48,34.45 4.48,33.99 v1(5.02,33.45)
  L6_GND.Cu w0.2: v1(25.71,64.85) 26.91,66.05 27.78,66.05 33.34,71.61 33.34,71.75 34.65,73.06 34.65,73.32 34.75,73.42 34.75,74.08 34.65,74.18 34.65,76.12 34.36,76.41 ; 8.5,33.13 5.34,33.13 v1(5.02,33.45)
/CELL_TXD: length 69.4
  L2_3v3+GNDA.Cu w0.2: v1(5.03,34.22) 5.5,34.22 8.75,37.47 8.75,49.15 6.05,51.85 6.05,59.1 10.25,63.3 23.32,63.3 23.5,63.47 v1(23.56,63.47)
  L6_GND.Cu w0.2: 23.5,63.47 v1(23.56,63.47) 26.49,66.4 27.64,66.4 32.99,71.75 32.99,72.3 33.99,73.3 34.14,73.3 34.4,73.56 34.4,73.94 34.3,74.04 34.3,75.66 33.71,76.25 33.71,76.41 ; v1(5.03,34.22) 5.66,33.58 8.5,33.58
/EPAPER DRIVER/EPD_CS_3v3: length 9.2
  L6_GND.Cu w0.2: U8.4 43.17,15.28 44.1,14.35 46.88,14.35 v1(48.2,13.02)
/EPAPER DRIVER/EPD_DC_3v3: length 11.4
  L1_GND+GNDA.Cu w0.2: 47.9,11.7 v1(48.56,12.36)
  L6_GND.Cu w0.2: U8.5 42.52,15.25 43.89,13.88 46.57,13.88 48.09,12.36 v1(48.56,12.36)
/EPAPER DRIVER/EPD_MOSI_3v3: length 7.9
  L1_GND+GNDA.Cu w0.2: J10.14 49.4,14.75 v1(48.97,15.18)
  L6_GND.Cu w0.2: 43.83,17.89 44.33,17.38 46.94,17.38 48.41,15.91 48.78,15.91 48.97,15.72 v1(48.97,15.18)
/EPAPER DRIVER/EPD_RES_3v3: length 10
  L1_GND+GNDA.Cu w0.2: 47.6,14.25 47.6,15.11 v1(47.47,15.24)
  L4_GND.Cu w0.2: v1(47.47,15.24) 47.47,16.11 44.15,19.43 v1(41.78,19.43)
  L6_GND.Cu w0.2: U8.6 41.87,19.34 v1(41.78,19.43)
/EPAPER DRIVER/EPD_SCK_3v3: length 10.7
  L1_GND+GNDA.Cu w0.2: 48.9,11.84 49.46,12.4 v1(49.46,12.58)
  L6_GND.Cu w0.2: v1(49.46,12.58) 49.6,12.72 49.6,17.28 49.13,17.75 45.84,17.75 45.12,18.47
/EPAPER DRIVER/GDR: length 12.2
  L1_GND+GNDA.Cu w0.2: 43.4,14.05 43.4,13.05 v1(43.6,12.85) ; 35.17,16.05 v1(36.2,17.08)
  L3_3v8+GNDA.Cu w0.2: v1(43.6,12.85) 41.15,12.85 39.7,14.3 38.5,14.3 36.2,16.6 v1(36.2,17.08)
/EPAPER DRIVER/PREVGH: length 24.9
  L1_GND+GNDA.Cu w0.2: 52.87,11.12 52.87,10.2 52.6,9.93 51.24,9.93 v1(51.14,9.82) ; 29.64,10.9 D10.1 32.09,10.9 v1(32.86,10.13)
  L2_3v3+GNDA.Cu w0.2: v1(51.14,9.82) 50.61,10.35 34.68,10.35 34.66,10.33 33.06,10.33 v1(32.86,10.13)
/EPAPER DRIVER/PREVGL: length 3.3
  L1_GND+GNDA.Cu w0.2: 53.95,10.5 54.17,10.28 54.17,9.52 54.47,9.23 56.3,9.23
/EPAPER DRIVER/RESE: length 14.7
  L1_GND+GNDA.Cu w0.2: 35.23,17.35 35.65,17.78 37.74,17.78 R32.1 40.1,11.3 41.4,10 43.3,10 43.9,10.6
/EPAPER DRIVER/VCOM: length 12.1